# Altium PCB GEM_AFE_128.PcbDoc (part 14 of 18) (continued)
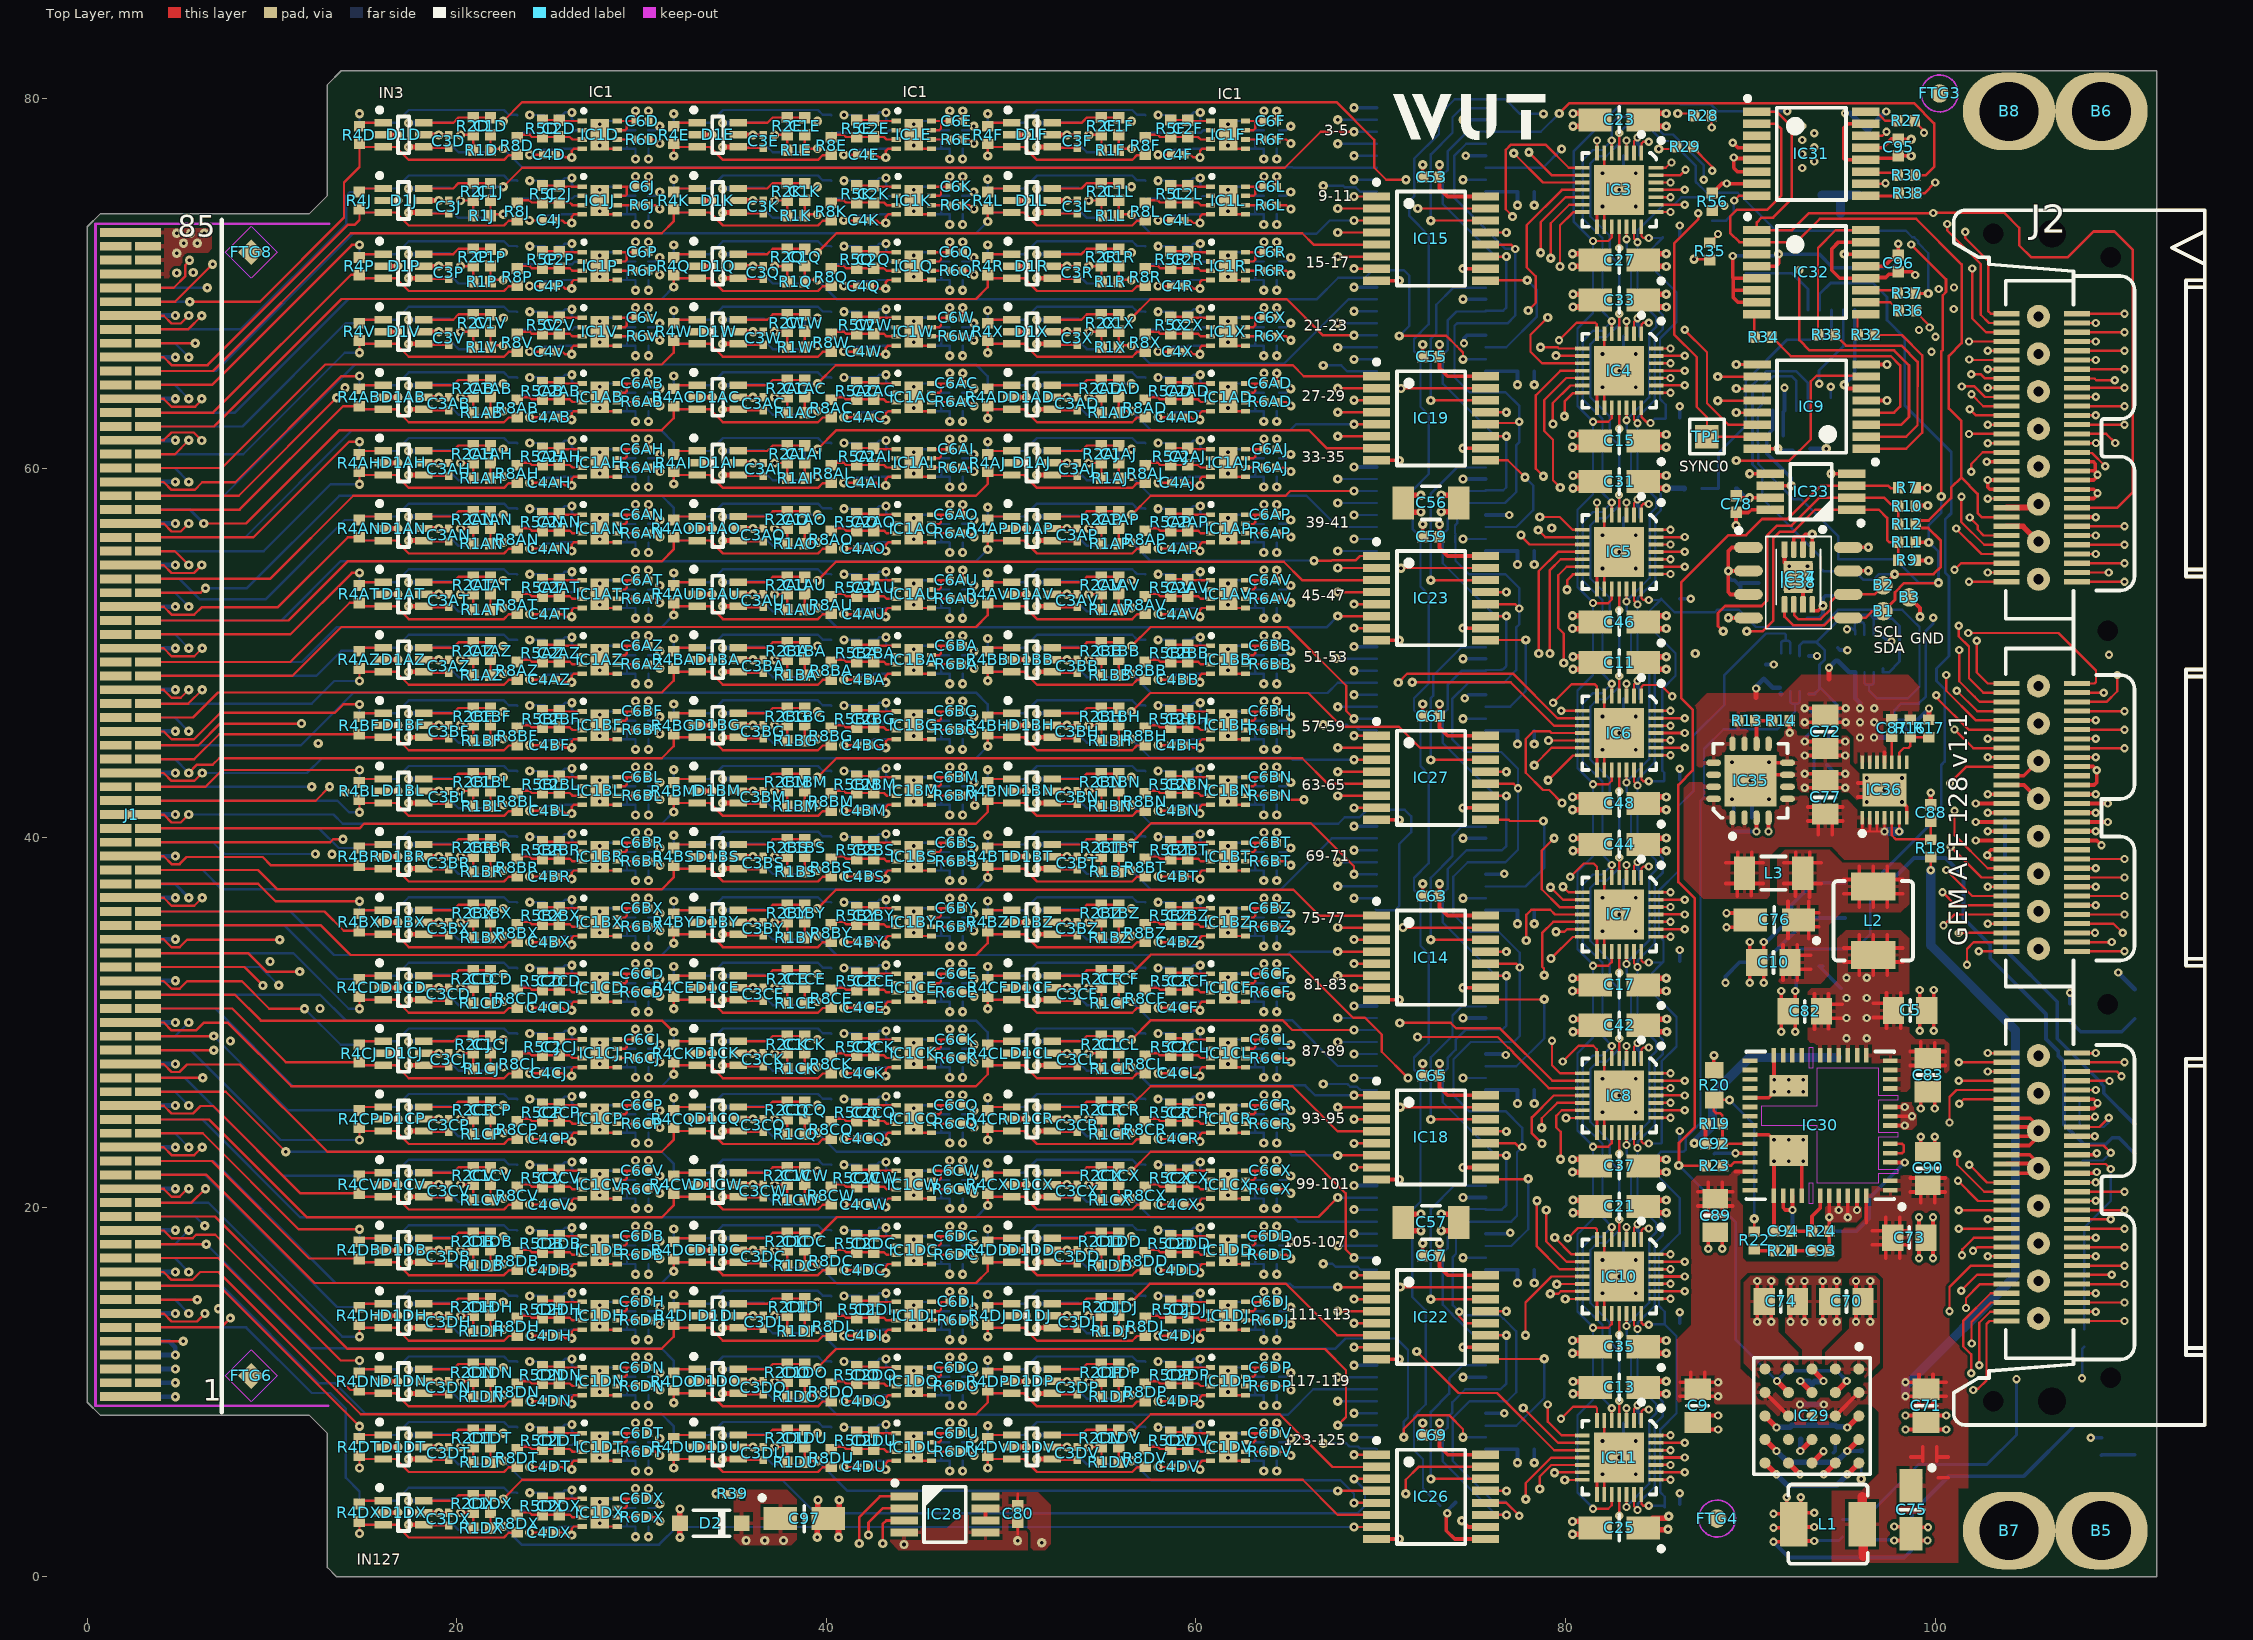
[diagram p0: Top Layer view]
## Nets (pads, with @x,y where several pads share a name; then routed paths per layer and width w, separated by ;. In a path a pad name is that pad's centre, name@x,y a point inside that pad or via, vN(x,y) a via of type N, cw(c..) or ccw(c..) an arc to the next point about the centre after c; other vN are vias at no path point) (continued)
OFFSET67: C4BP.2 IC1BP.4 IC7.26 | length 47.6
  Top Layer w0.127: IC7.26@85,36.244 v2(85.676,36.244)
  L2 w0.127: v1(43.23,40.192) 44.295,39.128 46.962,39.128 47.115,38.975 49.3,38.975 49.8,38.475 50.954,38.475 51.212,38.732 51.568,38.732 51.775,38.525 54.85,38.525 55.14,38.815 64.39,38.815 64.55,38.975 65.95,38.975 66.175,39.2 68,39.2 68.302,38.898 69.34,38.898 69.591,39.15 78.949,39.15 79.37,38.729 79.657,38.729 79.985,38.401 80.599,38.401 81.828,37.172 82.678,37.172 83.606,36.244 v2(85.676,36.244)
  Bottom Layer w0.127: C4BP.2@42.375,40.055 42.727,40.055 42.864,40.192 v1@43.205,40.192 ; v1(43.23,40.192) 43.23,39.838 43.343,39.725 IC1BP.4@43.786,39.725
OFFSET68: C4BQ.2 IC1BQ.4 IC7.10 | length 27.6
  Top Layer w0.127: v1(79.381,39.966) 78.713,39.298 78.713,37.202 79.674,36.241 IC7.10@80.9,36.241
  L2 w0.127: v1(60.23,40.192) 62.183,40.192 62.7,39.675 64.365,39.675 64.915,40.225 65.862,40.225 65.987,40.1 73.113,40.1 73.598,40.585 76.49,40.585 77.109,39.966 v1(79.381,39.966)
  Bottom Layer w0.127: C4BQ.2@59.375,40.055 59.727,40.055 59.864,40.192 v1@60.205,40.192 ; v1(60.23,40.192) 60.23,39.838 60.343,39.725 IC1BQ.4@60.786,39.725
OFFSET69: C4BR.2 IC1BR.4 IC7.9 | length 58.9
  Top Layer w0.127: C4BR.2@25.364,37.895 25.716,37.895 25.854,37.758 v1@26.195,37.758 ; v1(26.22,37.758) 26.22,38.112 26.333,38.225 IC1BR.4@26.775,38.225 ; v1(79.187,37.314) 79.861,36.641 IC7.9@80.9,36.641
  L2 w0.127: v1(26.22,37.758) 28.333,37.758 28.8,38.225 30.55,38.225 30.725,38.05 31.225,38.05 31.65,38.475 33.912,38.475 34.187,38.75 34.6,38.75 34.809,38.541 37.766,38.541 38.047,38.822 41.453,38.822 43.075,37.2 59.529,37.2 59.671,37.058 61.056,37.058 61.198,37.2 67.099,37.2 67.417,36.883 67.943,36.883 68.261,37.201 71.993,37.201 72.102,37.092 73.442,37.092 73.85,37.5 78.25,37.5 78.436,37.314 v1(79.187,37.314)
OFFSET70: C4BS.2 IC1BS.4 IC7.8 | length 42.6
  Top Layer w0.127: C4BS.2@42.364,37.895 42.716,37.895 42.854,37.758 v1@43.195,37.758 ; v1(43.22,37.758) 43.22,38.112 43.333,38.225 IC1BS.4@43.775,38.225 ; v1(79.865,37.34) 80.164,37.041 IC7.8@80.9,37.041
  L2 w0.127: v1(43.22,37.758) 45.333,37.758 45.8,38.225 47.55,38.225 47.725,38.05 48.225,38.05 48.438,38.262 48.987,38.262 49.5,37.75 56.975,37.75 57.575,38.35 58.907,38.35 59.926,37.332 60.674,37.332 60.969,37.627 62.702,37.627 63.174,38.099 64.54,38.099 64.914,37.725 66.025,37.725 66.185,37.885 67.961,37.885 68.291,37.555 69.094,37.555 70.2,38.661 78.095,38.661 78.516,38.239 78.966,38.239 v1(79.865,37.34)
OFFSET71: C4BT.2 IC1BT.4 IC7.7 | length 25.5
  Top Layer w0.127: C4BT.2@59.364,37.895 59.716,37.895 59.854,37.758 v1@60.195,37.758 ; v1(60.22,37.758) 60.22,38.112 60.333,38.225 IC1BT.4@60.775,38.225 ; v2(80.255,37.876) 80.979,38.6 81.529,38.6 81.7,38.429 IC7.7@81.7,37.841
  L2 w0.127: v1(60.22,37.758) v1(60.22,37.758) 60.586,37.759 60.802,37.975 61.975,37.975 62.475,38.475 64.583,38.475 64.968,38.09 65.783,38.09 65.943,38.249 67.997,38.249 68.253,38.505 69.1,38.505 69.106,38.511 69.597,38.511 69.975,38.889 78.465,38.889 78.843,38.511 79.207,38.511 79.843,37.876 v2(80.255,37.876)
OFFSET72: C4BU.2 IC1BU.4 IC7.25 | length 67.4
  Top Layer w0.14: IC7.25@85,35.844 v2(86.447,35.844)
  L2 w0.127: v1(26.23,36.642) 28.343,36.642 28.811,36.175 30.561,36.175 30.736,36.35 31.236,36.35 31.661,35.925 33.923,35.925 34.198,35.65 34.611,35.65 34.819,35.859 37.777,35.859 38.058,35.578 46.962,35.578 47.115,35.425 49.3,35.425 49.8,34.925 50.954,34.925 51.212,35.182 51.568,35.182 51.775,34.975 54.85,34.975 55.14,35.265 64.39,35.265 64.55,35.425 65.95,35.425 66.275,35.75 67.81,35.75 68.028,35.531 69.184,35.531 69.74,36.087 71.58,36.087 71.762,35.905 74.876,35.905 75.19,36.219 80.494,36.219 81.35,35.363 81.35,34.729 81.641,34.437 84.072,34.437 84.682,35.048 85.889,35.048
  L2 w0.14: 85.889,35.048 86.072,35.231 86.072,35.47 v2(86.447,35.844)
  Bottom Layer w0.127: C4BU.2@25.375,36.505 25.727,36.505 25.864,36.642 v1@26.205,36.642 ; v1(26.23,36.642) 26.23,36.288 26.343,36.175 IC1BU.4@26.786,36.175
OFFSET73: C4BV.2 IC1BV.4 IC7.24 | length 47.1
  Top Layer w0.127: IC7.24@85,35.444 v2(85.676,35.444)
  L2 w0.127: v1(43.23,36.642) 45.343,36.642 45.811,36.175 47.561,36.175 47.736,36.35 48.236,36.35 48.661,35.925 50.923,35.925 51.198,35.65 51.611,35.65 51.819,35.859 54.777,35.859 55.058,35.578 64.231,35.578 64.963,36.311 66.87,36.311 67.06,36.121 67.951,36.121 68.173,35.898 69.001,35.898 69.55,36.448 71.73,36.448 71.912,36.265 74.727,36.265 74.998,36.537 80.913,36.537 82.085,35.365 83.365,35.365 83.444,35.444 v2(85.676,35.444)
  Bottom Layer w0.127: C4BV.2@42.375,36.505 42.727,36.505 42.864,36.642 v1@43.205,36.642 ; v1(43.23,36.642) 43.23,36.288 43.343,36.175 IC1BV.4@43.786,36.175
OFFSET74: C4BW.2 IC1BW.4 IC7.23 | length 33
  Top Layer w0.14: IC7.23@85,35.044 v2(86.447,35.044)
  L2 w0.127: v1(60.23,36.642) 62.183,36.642 62.7,36.125 64.365,36.125 64.915,36.675 67.021,36.675 67.211,36.485 68.102,36.485 68.324,36.263 68.85,36.263 69.408,36.821 71.884,36.821 72.04,36.665 73.565,36.665 74.029,37.129 78.079,37.129 78.309,36.899 81.151,36.899 81.75,36.3 83.071,36.3 83.521,35.85 85.85,35.85 86.25,36.25 86.65,36.25 86.9,36 86.9,35.497 v2(86.447,35.044)
  Bottom Layer w0.127: C4BW.2@59.375,36.505 59.727,36.505 59.864,36.642 v1@60.205,36.642 ; v1(60.23,36.642) 60.23,36.288 60.343,36.175 IC1BW.4@60.786,36.175
OFFSET75: C4BX.2 IC1BX.4 IC7.22 | length 66.4
  Top Layer w0.127: C4BX.2@25.364,34.345 25.716,34.345 25.854,34.208 v1@26.195,34.208 ; v1(26.22,34.208) 26.22,34.562 26.333,34.675 IC1BX.4@26.775,34.675 ; IC7.22@85,34.644 v2(85.676,34.644)
  L2 w0.127: v1(26.22,34.208) 28.333,34.208 28.8,34.675 30.55,34.675 30.725,34.5 31.225,34.5 31.65,34.925 33.912,34.925 34.187,35.2 34.6,35.2 34.809,34.991 37.766,34.991 38.047,35.272 43.528,35.272 44.5,34.3 45.425,34.3 45.8,34.675 47.55,34.675 47.725,34.5 48.225,34.5 48.438,34.713 48.987,34.713 49.5,34.2 56.975,34.2 57.575,34.8 61.1,34.8 61.475,34.425 61.975,34.425 62.475,34.925 64.583,34.925 64.968,34.54 65.432,34.54 65.609,34.717 68.017,34.717 68.45,35.15 69.45,35.15 69.95,35.65 71.399,35.65 71.581,35.468 75.057,35.468 75.447,35.858 80.192,35.858 81,35.05 81,34.55 81.45,34.1 84.25,34.1 84.794,34.644 v2(85.676,34.644)
OFFSET76: C4BY.2 IC1BY.4 IC7.14 | length 44.5
  Top Layer w0.127: C4BY.2@42.364,34.345 42.716,34.345 42.854,34.208 v1@43.195,34.208 ; v1(43.22,34.208) 43.22,34.562 43.333,34.675 IC1BY.4@43.775,34.675 ; v1(79.216,33.454) 80.388,34.626 80.885,34.626 IC7.14@80.9,34.641
  L2 w0.127: v1(43.22,34.208) 42.65,33.638 42.65,32.95 43,32.6 43.55,32.6 44.05,33.1 45.336,33.1 45.811,32.625 47.561,32.625 47.736,32.8 48.236,32.8 48.661,32.375 50.923,32.375 51.198,32.1 51.611,32.1 51.819,32.309 54.777,32.309 55.058,32.028 64.231,32.028 64.963,32.761 66.815,32.761 67.46,32.116 67.848,32.116 68.268,32.536 69.236,32.536 69.8,33.1 73.35,33.1 73.65,33.4 77.15,33.4 77.4,33.65 77.95,33.65 78.146,33.454 v1(79.216,33.454)
OFFSET77: C4BZ.2 IC1BZ.4 IC7.13 | length 23.7
  Top Layer w0.127: C4BZ.2@59.364,34.345 59.716,34.345 59.854,34.208 v1@60.195,34.208 ; v1(60.22,34.208) 60.22,34.562 60.333,34.675 IC1BZ.4@60.775,34.675 ; v1(79.479,34.904) 79.943,34.904 80.079,35.041 IC7.13@80.9,35.041
  L2 w0.127: v1(60.22,34.208) 60.989,34.208 61.12,34.077 62.702,34.077 63.174,34.549 64.54,34.549 64.914,34.175 65.614,34.175 65.739,34.3 68,34.3 68.25,34.05 68.85,34.05 69.45,34.65 71.5,34.65 71.95,35.1 77.016,35.1 77.216,34.9 79.475,34.9 v1(79.479,34.904)
OFFSET78: C4CA.2 IC1CA.4 IC7.12 | length 61.4
  Top Layer w0.127: v1(78.843,32.559) 78.833,32.569 78.833,32.917 78.733,33.017 78.733,34.845 79.328,35.441 IC7.12@80.9,35.441
  L2 w0.127: v1(26.23,33.092) 28.343,33.092 28.811,32.625 30.561,32.625 30.736,32.8 31.236,32.8 31.661,32.375 33.923,32.375 34.198,32.1 34.611,32.1 34.819,32.309 37.777,32.309 38.058,32.028 46.962,32.028 47.115,31.875 49.3,31.875 49.8,31.375 50.954,31.375 51.212,31.632 51.568,31.632 51.775,31.425 54.85,31.425 55.14,31.715 64.39,31.715 64.508,31.833 67.906,31.833 68.37,32.297 68.783,32.297 68.98,32.1 69.5,32.1 70.05,32.65 73.5,32.65 73.85,33 76.688,33 cw(c76.688,32.374) 77.13,32.817 77.13,32.812 77.359,32.584 77.516,32.584 77.541,32.559 v1(78.843,32.559)
  Bottom Layer w0.127: C4CA.2@25.375,32.955 25.727,32.955 25.864,33.092 v1@26.205,33.092 ; v1(26.23,33.092) 26.23,32.738 26.343,32.625 IC1CA.4@26.786,32.625
OFFSET79: C4CB.2 IC1CB.4 IC7.11 | length 42.1
  Top Layer w0.127: v1(77.869,34.431) 77.869,35.819 78.15,36.1 79.167,36.1 79.426,35.841 IC7.11@80.9,35.841
  L2 w0.127: v1(43.23,33.092) 43.788,33.65 67.2,33.65 67.454,33.396 68.002,33.396 68.251,33.646 69.096,33.646 69.4,33.95 72.95,33.95 73.7,34.7 76.961,34.7 77.23,34.431 v1(77.869,34.431)
  Bottom Layer w0.127: C4CB.2@42.375,32.955 42.727,32.955 42.864,33.092 v1@43.205,33.092 ; v1(43.23,33.092) 43.23,32.738 43.343,32.625 IC1CB.4@43.786,32.625
OFFSET80: C4CC.2 IC1CC.4 IC8.1 | length 31
  Top Layer w0.127: IC8.1@84.1,28.045 84.109,28.054 84.109,28.552 84.202,28.645 v2(84.498,28.645)
  L2 w0.127: v1(60.23,33.092) 62.183,33.092 62.7,32.575 64.365,32.575 64.86,33.071 67.829,33.071 68.135,32.765 68.892,32.765 69.63,33.502 73.052,33.502 73.85,34.3 76.927,34.3 77.277,33.95 79.95,33.95 84.498,29.402 v2(84.498,28.645)
  Bottom Layer w0.127: C4CC.2@59.375,32.955 59.727,32.955 59.864,33.092 v1@60.205,33.092 ; v1(60.23,33.092) 60.23,32.738 60.343,32.625 IC1CC.4@60.786,32.625
OFFSET81: C4CD.2 IC1CD.4 IC8.28 | length 66
  Top Layer w0.127: C4CD.2@25.364,30.795 25.716,30.795 25.854,30.658 v1@26.195,30.658 ; v1(26.22,30.658) 26.22,31.012 26.333,31.125 IC1CD.4@26.775,31.125 ; IC8.28@85,27.248 v2(85.676,27.248)
  L2 w0.127: v1(26.22,30.658) 28.333,30.658 28.8,31.125 30.55,31.125 30.725,30.95 31.225,30.95 31.65,31.375 33.912,31.375 34.187,31.65 34.6,31.65 34.809,31.441 37.766,31.441 38.047,31.722 41.453,31.722 43.075,30.1 67.15,30.1 67.421,29.829 67.502,29.829 ; 67.503,29.828 67.847,29.828 ; 67.848,29.829 67.879,29.829 68.15,30.1 69.1,30.1 69.435,30.435 69.935,30.435 70.292,30.792 78.108,30.792 79.888,29.012 80.557,29.012 82.532,27.037 83.113,27.037 83.7,26.45 84.878,26.45 v2(85.676,27.248)
OFFSET82: C4CE.2 IC1CE.4 IC8.27 | length 52.4
  Top Layer w0.127: C4CE.2@42.364,30.795 42.716,30.795 42.854,30.658 v1@43.195,30.658 ; v1(43.22,30.658) 43.22,31.012 43.333,31.125 IC1CE.4@43.775,31.125
  Top Layer w0.14: IC8.27@85,26.848 v2(86.447,26.848)
  L2 w0.127: v1(43.22,30.658) 45.333,30.658 45.8,31.125 47.55,31.125 47.725,30.95 48.225,30.95 48.438,31.163 48.987,31.163 49.5,30.65 56.975,30.65 57.575,31.25 61.1,31.25 61.475,30.875 61.975,30.875 62.475,31.375 64.583,31.375 64.968,30.99 65.376,30.99 65.764,31.378 69.422,31.378 70.192,32.149 73.599,32.149 74,32.55 75.95,32.55 76.5,32 79.4,32 80.15,31.25 81.2,31.25 82.1,30.35 82.1,28.45 82.629,27.921 86.079,27.921 86.447,27.553 v2(86.447,26.848)
OFFSET83: C4CF.2 IC1CF.4 IC8.26 | length 33.5
  Top Layer w0.127: C4CF.2@59.364,30.795 59.716,30.795 59.854,30.658 v1@60.195,30.658 ; v1(60.22,30.658) 60.22,31.012 60.333,31.125 IC1CF.4@60.775,31.125 ; IC8.26@85,26.448 v2(85.676,26.448)
  L2 w0.127: v1(60.22,30.658) 60.989,30.658 61.12,30.527 62.702,30.527 63.174,30.999 64.54,30.999 64.914,30.625 65.8,30.625 66.075,30.9 67.8,30.9 68.25,30.45 68.85,30.45 69.2,30.8 69.653,30.8 70.572,31.719 73.531,31.719 73.95,31.3 78.128,31.3 78.653,30.775 80.925,30.775 81.65,30.05 81.65,28.422 82.429,27.642 85.856,27.642 86.082,27.417 86.082,27.049 85.984,26.95 85.984,26.756 v2(85.676,26.448)
OFFSET84: C4CG.2 IC1CG.4 IC8.10 | length 59.4
  Top Layer w0.127: v1(71.991,29.207) 76.326,29.207 76.903,28.631 76.931,28.631 77.16,28.402 77.16,28.374 79.089,26.445 IC8.10@80.9,26.445
  L2 w0.127: v1(26.23,29.542) 28.343,29.542 28.811,29.075 30.561,29.075 30.736,29.25 31.236,29.25 31.661,28.825 33.923,28.825 34.198,28.55 34.611,28.55 34.819,28.759 37.777,28.759 38.058,28.478 46.962,28.478 47.115,28.325 49.3,28.325 49.8,27.825 50.954,27.825 51.212,28.082 51.568,28.082 51.775,27.875 54.85,27.875 55.14,28.165 64.39,28.165 64.55,28.325 67.925,28.325 68.308,28.708 70.227,28.708 70.726,29.207 v1(71.991,29.207)
  Bottom Layer w0.127: C4CG.2@25.375,29.405 25.727,29.405 25.864,29.542 v1@26.205,29.542 ; v1(26.23,29.542) 26.23,29.188 26.343,29.075 IC1CG.4@26.786,29.075
OFFSET85: C4CH.2 IC1CH.4 IC8.9 | length 42.5
  Top Layer w0.127: v1(71.032,29.974) 73.789,29.974 74.084,29.678 76.451,29.678 79.285,26.845 IC8.9@80.9,26.845
  L2 w0.127: v1(43.23,29.542) 45.343,29.542 45.811,29.075 47.561,29.075 47.736,29.25 48.236,29.25 48.661,28.825 50.923,28.825 51.198,28.55 51.611,28.55 51.819,28.759 54.777,28.759 55.058,28.478 64.231,28.478 64.963,29.211 67.356,29.211 67.503,29.358 67.847,29.358 68.268,28.937 68.977,28.937 69.24,29.2 70.258,29.2 v1(71.032,29.974)
  Bottom Layer w0.127: C4CH.2@42.375,29.405 42.727,29.405 42.864,29.542 v1@43.205,29.542 ; v1(43.23,29.542) 43.23,29.188 43.343,29.075 IC1CH.4@43.786,29.075
OFFSET86: C4CI.2 IC1CI.4 IC8.8 | length 25.7
  Top Layer w0.127: v2(79.27,29.012) 79.27,27.682 79.7,27.251 80.894,27.251 IC8.8@80.9,27.245
  L2 w0.127: v1(60.23,29.542) 62.183,29.542 62.7,29.025 64.365,29.025 64.937,29.597 67.959,29.597 68.378,29.178 68.728,29.178 69.6,30.05 70.15,30.05 70.5,30.4 73.15,30.4 73.85,29.7 78.582,29.7 v2(79.27,29.012)
  Bottom Layer w0.127: C4CI.2@59.375,29.405 59.727,29.405 59.864,29.542 v1@60.205,29.542 ; v1(60.23,29.542) 60.23,29.188 60.343,29.075 IC1CI.4@60.786,29.075
OFFSET87: C4CJ.2 IC1CJ.4 IC8.7 | length 60.5
  Top Layer w0.127: C4CJ.2@25.364,27.245 25.716,27.245 25.854,27.108 v1@26.195,27.108 ; v1(26.22,27.108) 26.22,27.462 26.333,27.575 IC1CJ.4@26.775,27.575 ; v2(79.852,27.883) 80.703,28.733 81.503,28.733 81.688,28.548 81.688,28.057 IC8.7@81.7,28.045
  L2 w0.127: v1(26.22,27.108) 28.333,27.108 28.8,27.575 30.55,27.575 30.725,27.4 31.225,27.4 31.65,27.825 33.912,27.825 34.187,28.1 34.6,28.1 34.809,27.891 37.766,27.891 38.047,28.172 41.453,28.172 43.075,26.55 65.9,26.55 66.572,27.222 68.137,27.222 68.323,27.408 68.742,27.408 68.95,27.2 71.095,27.2 71.303,27.408 71.647,27.408 71.669,27.386 72.08,27.386 72.102,27.364 72.445,27.364 72.467,27.386 72.98,27.386 73.002,27.364 73.345,27.364 73.367,27.386 73.495,27.386 73.517,27.408 79.378,27.408 v2(79.852,27.883)
OFFSET88: C4CK.2 IC1CK.4 IC8.25 | length 50.5
  Top Layer w0.127: C4CK.2@42.364,27.245 42.716,27.245 42.854,27.108 v1@43.195,27.108 ; v1(43.22,27.108) 43.22,27.462 43.333,27.575 IC1CK.4@43.775,27.575
  Top Layer w0.14: IC8.25@85,26.048 v2(86.447,26.048)
  L2 w0.127: v1(43.22,27.108) 45.333,27.108 45.8,27.575 47.55,27.575 47.725,27.4 48.225,27.4 48.438,27.613 48.987,27.613 49.5,27.1 56.975,27.1 57.575,27.7 61.1,27.7 61.475,27.325 61.975,27.325 62.475,27.825 64.583,27.825 64.968,27.44 65.665,27.44 66.205,27.98 68.199,27.98 68.303,27.876 68.726,27.876 69.126,28.276 70.326,28.276 70.842,28.792 72.225,28.792 72.765,29.332 77.942,29.332 78.692,28.582 80.368,28.582 81.54,27.41 81.54,26.786 81.848,26.478 83.163,26.478 83.593,26.048 v2(86.447,26.048)
OFFSET89: C4CL.2 IC1CL.4 IC8.24 | length 31
  Top Layer w0.127: C4CL.2@59.364,27.245 59.716,27.245 59.854,27.108 v1@60.195,27.108 ; v1(60.22,27.108) 60.22,27.462 60.333,27.575 IC1CL.4@60.775,27.575 ; IC8.24@85,25.648 v2(85.676,25.648)
  L2 w0.127: v1(60.22,27.108) 60.989,27.108 61.12,26.977 62.702,26.977 63.174,27.449 64.54,27.449 64.914,27.075 65.816,27.075 66.38,27.64 70.29,27.64 71.166,28.516 72.725,28.516 73.151,28.943 77.807,28.943 78.477,28.273 80.227,28.273 81.2,27.3 81.2,26.6 82.276,25.524 83.221,25.524 83.346,25.65 85.674,25.65 v2(85.676,25.648)
OFFSET90: C4CM.2 IC1CM.4 IC8.23 | length 66.6
  Top Layer w0.14: IC8.23@85,25.248 v2(86.447,25.248)
  L2 w0.127: v1(26.23,25.992) 28.343,25.992 28.811,25.525 30.561,25.525 30.736,25.7 31.236,25.7 31.661,25.275 33.923,25.275 34.198,25 34.611,25 34.819,25.209 37.777,25.209 38.058,24.928 46.962,24.928 47.115,24.775 49.3,24.775 49.8,24.275 50.954,24.275 51.212,24.532 51.568,24.532 51.775,24.325 54.85,24.325 55.14,24.615 64.39,24.615 64.55,24.775 67.775,24.775 68.25,25.25 69.55,25.25 69.9,24.9 71.75,24.9 72.121,25.271 76.681,25.271 77.152,24.8 78.95,24.8 79.739,24.011 85.511,24.011 86.431,24.931 86.431,25.232 v2(86.447,25.248)
  Bottom Layer w0.127: C4CM.2@25.375,25.855 25.727,25.855 25.864,25.992 v1@26.205,25.992 ; v1(26.23,25.992) 26.23,25.638 26.343,25.525 IC1CM.4@26.786,25.525
OFFSET91: C4CN.2 IC1CN.4 IC8.22 | length 47.3
  Top Layer w0.127: IC8.22@85,24.848 v2(85.676,24.848)
  L2 w0.127: v1(43.23,25.992) 45.343,25.992 45.811,25.525 47.561,25.525 47.736,25.7 48.236,25.7 48.661,25.275 50.923,25.275 51.198,25 51.611,25 51.819,25.209 54.777,25.209 55.058,24.928 64.231,24.928 65.085,25.783 67.183,25.783 67.35,25.95 67.9,25.95 68.26,25.59 68.79,25.59 69.15,25.95 76.458,25.95 77.221,25.187 79.043,25.187 79.879,24.35 85.178,24.35 v2(85.676,24.848)
  Bottom Layer w0.127: C4CN.2@42.375,25.855 42.727,25.855 42.864,25.992 v1@43.205,25.992 ; v1(43.23,25.992) 43.23,25.638 43.343,25.525 IC1CN.4@43.786,25.525
OFFSET92: C4CO.2 IC1CO.4 IC8.14 | length 23.9
  Top Layer w0.127: v1(80.02,24.83) 80.885,24.83 IC8.14@80.9,24.845
  L2 w0.127: v1(60.23,25.992) 62.183,25.992 62.7,25.475 64.365,25.475 65.037,26.147 67.047,26.147 67.45,26.55 78.3,26.55 v1(80.02,24.83)
  Bottom Layer w0.127: C4CO.2@59.375,25.855 59.727,25.855 59.864,25.992 v1@60.205,25.992 ; v1(60.23,25.992) 60.23,25.638 60.343,25.525 IC1CO.4@60.786,25.525
OFFSET93: C4CP.2 IC1CP.4 IC8.13 | length 61.7
  Top Layer w0.127: C4CP.2@25.364,23.695 25.716,23.695 25.854,23.558 v1@26.195,23.558 ; v1(26.22,23.558) 26.22,23.912 26.333,24.025 IC1CP.4@26.775,24.025 ; v1(79.731,22.602) 79.731,24.082 79.492,24.32 79.492,24.944 79.793,25.245 IC8.13@80.9,25.245
  L2 w0.127: v1(26.22,23.558) 28.333,23.558 28.8,24.025 30.55,24.025 30.725,23.85 31.225,23.85 31.65,24.275 33.912,24.275 34.187,24.55 34.6,24.55 34.809,24.341 37.766,24.341 38.047,24.622 41.453,24.622 42.942,23.133 46.122,23.133 46.255,23 59.313,23 59.442,23.13 60.929,23.13 61.059,23 65.725,23 66.125,23.4 68,23.4 68.361,23.039 68.739,23.039 69.15,23.45 76.198,23.45 76.355,23.293 77.067,23.293 77.758,22.602 v1(79.731,22.602)
OFFSET94: C4CQ.2 IC1CQ.4 IC8.12 | length 42.1
  Top Layer w0.127: C4CQ.2@42.364,23.695 42.716,23.695 42.854,23.558 v1@43.195,23.558 ; v1(43.22,23.558) 43.22,23.912 43.333,24.025 IC1CQ.4@43.775,24.025 ; v1(78.714,24.294) 78.714,24.813 79.547,25.645 IC8.12@80.9,25.645
  L2 w0.127: v1(43.22,23.558) 45.333,23.558 45.8,24.025 47.55,24.025 47.725,23.85 48.225,23.85 48.438,24.062 48.987,24.062 49.5,23.55 56.975,23.55 57.575,24.15 61.1,24.15 61.475,23.775 61.975,23.775 62.475,24.275 64.583,24.275 64.968,23.89 65.44,23.89 65.84,24.29 76.24,24.29 76.47,24.52 77.03,24.52 77.296,24.254 78.674,24.254 v1(78.714,24.294)
OFFSET95: C4CR.2 IC1CR.4 IC8.11 | length 26.2
  Top Layer w0.127: C4CR.2@59.364,23.695 59.716,23.695 59.854,23.558 v1@60.195,23.558 ; v1(60.22,23.558) 60.22,23.912 60.333,24.025 IC1CR.4@60.775,24.025 ; v1(78.729,23.445) 78.179,23.995 78.179,24.862 79.362,26.045 IC8.11@80.9,26.045
  L2 w0.127: v1(60.22,23.558) 60.989,23.558 61.12,23.427 62.702,23.427 63.174,23.899 64.54,23.899 64.914,23.525 65.591,23.525 65.991,23.926 76.274,23.926 76.55,23.65 77.1,23.65 77.35,23.9 78.275,23.9 v1(78.729,23.445)
OFFSET96: C4CS.2 IC1CS.4 IC10.1 | length 66.6
  Top Layer w0.127: IC10.1@84.1,18.249 84.109,18.258 84.109,18.756 84.202,18.849 v2(84.498,18.849)
  L2 w0.127: v1(26.23,22.442) 28.343,22.442 28.811,21.975 30.561,21.975 30.736,22.15 31.236,22.15 31.661,21.725 33.923,21.725 34.198,21.45 34.611,21.45 34.819,21.659 37.777,21.659 38.988,22.87 43.419,22.87 43.565,22.724 45.626,22.724 46.246,22.104 48.246,22.104 48.4,21.95 49.073,21.95 49.596,22.473 56.827,22.473 57.45,21.85 58.964,21.85 59.972,22.858 60.63,22.858 61.036,22.452 62.173,22.452 62.7,21.925 64.365,21.925 64.915,22.475 67.375,22.475 67.461,22.389 67.845,22.389 68.256,22.8 73.38,22.8 73.665,23.085 75.748,23.085 76.598,22.235 79.378,22.235 80.165,21.448 82.702,21.448 84.498,19.652 v2(84.498,18.849)
  Bottom Layer w0.127: C4CS.2@25.375,22.305 25.727,22.305 25.864,22.442 v1@26.205,22.442 ; v1(26.23,22.442) 26.23,22.088 26.343,21.975 IC1CS.4@26.786,21.975
OFFSET97: C4CT.2 IC1CT.4 IC10.28 | length 48.9
  Top Layer w0.127: IC10.28@85,17.452 v2(85.676,17.452)
  L2 w0.127: v1(43.23,22.442) 43.244,22.456 45.285,22.456 46.516,21.225 49.3,21.225 49.8,20.725 50.954,20.725 51.212,20.982 51.568,20.982 51.775,20.775 54.85,20.775 55.14,21.065 64.39,21.065 64.55,21.225 65.95,21.225 66.375,21.65 70.416,21.65 70.703,21.937 71.29,21.937 71.577,21.65 75.95,21.65 76.8,20.8 80.573,20.8 81.5,19.873 81.5,18.704 82.592,17.612 84.138,17.612 84.298,17.452 v2(85.676,17.452)
  Bottom Layer w0.127: C4CT.2@42.375,22.305 42.727,22.305 42.864,22.442 v1@43.205,22.442 ; v1(43.23,22.442) 43.23,22.088 43.343,21.975 IC1CT.4@43.786,21.975
OFFSET98: C4CU.2 IC1CU.4 IC10.27 | length 33.9
  Top Layer w0.14: IC10.27@85,17.052 v2(86.447,17.052)
  L2 w0.127: v1(60.23,22.442) 61.295,21.378 64.231,21.378 64.963,22.111 67.917,22.111 68.378,22.571 68.596,22.571 68.598,22.57 68.72,22.57 68.938,22.352 73.565,22.352 73.85,22.638 75.562,22.638 77.092,21.108 80.796,21.108 81.938,19.966 81.938,18.812 82.7,18.05 85.85,18.05 86.447,17.453 v2(86.447,17.052)
  Bottom Layer w0.127: C4CU.2@59.375,22.305 59.727,22.305 59.864,22.442 v1@60.205,22.442 ; v1(60.23,22.442) 60.23,22.088 60.343,21.975 IC1CU.4@60.786,21.975
OFFSET99: C4CV.2 IC1CV.4 IC10.26 | length 65.4
  Top Layer w0.127: C4CV.2@25.364,20.145 25.716,20.145 25.854,20.008 v1@26.195,20.008 ; v1(26.22,20.008) 26.22,20.362 26.333,20.475 IC1CV.4@26.775,20.475 ; IC10.26@85,16.652 v2(85.676,16.652)
  L2 w0.127: v1(26.22,20.008) 28.333,20.008 28.8,20.475 30.55,20.475 30.725,20.3 31.225,20.3 31.65,20.725 33.912,20.725 34.187,21 34.6,21 34.809,20.791 37.766,20.791 38.047,21.072 41.453,21.072 43.075,19.45 68.8,19.45 69.7,20.35 73.589,20.35 74.462,19.477 76.528,19.477 76.599,19.547 77.301,19.547 77.413,19.436 78.777,19.436 79.122,19.435 ; 79.123,19.436 79.64,19.436 79.655,19.421 79.993,19.421 80.314,19.1 80.636,19.1 82.486,17.25 83.1,17.25 83.698,16.652 v2(85.676,16.652)
OFFSET100: C4CW.2 IC1CW.4 IC10.10 | length 44.7
  Top Layer w0.127: C4CW.2@42.364,20.145 42.716,20.145 42.854,20.008 v1@43.195,20.008 ; v1(43.22,20.008) 43.22,20.362 43.333,20.475 IC1CW.4@43.775,20.475 ; v1(78.45,20.35) 78.45,17.873 79.674,16.649 IC10.10@80.9,16.649
  L2 w0.127: v1(43.22,20.008) 45.333,20.008 45.8,20.475 47.55,20.475 47.725,20.3 48.225,20.3 48.438,20.512 48.987,20.512 49.5,20 56.975,20 57.575,20.6 61.1,20.6 61.475,20.225 61.975,20.225 62.475,20.725 64.583,20.725 64.968,20.34 65.99,20.34 66.7,21.05 67.95,21.05 68.3,20.7 68.9,20.7 69.272,21.072 75.328,21.072 76.05,20.35 v1(78.45,20.35)
OFFSET101: C4CX.2 IC1CX.4 IC10.9 | length 25.7
  Top Layer w0.127: C4CX.2@59.364,20.145 59.716,20.145 59.854,20.008 v1@60.195,20.008 ; v1(60.22,20.008) 60.22,20.362 60.333,20.475 IC1CX.4@60.775,20.475 ; v1(78.95,19.85) 78.95,18.15 80.051,17.049 IC10.9@80.9,17.049
  L2 w0.127: v1(60.22,20.008) 60.989,20.008 61.12,19.877 62.702,19.877 63.174,20.349 64.54,20.349 64.914,19.975 67.845,19.975 68.17,20.3 69.05,20.3 69.45,20.7 73.663,20.7 74.513,19.85 v1(78.95,19.85)
OFFSET102: C4CY.2 IC1CY.4 IC10.8 | length 59.2
  Top Layer w0.127: v1(79.41,18.358) 80.318,17.449 IC10.8@80.9,17.449
  L2 w0.127: v1(26.23,18.892) 28.343,18.892 28.811,18.425 30.561,18.425 30.736,18.6 31.236,18.6 31.661,18.175 33.923,18.175 34.198,17.9 34.611,17.9 34.819,18.109 37.777,18.109 38.058,17.828 46.962,17.828 47.115,17.675 49.3,17.675 49.8,17.175 50.954,17.175 51.212,17.432 51.568,17.432 51.775,17.225 54.85,17.225 55.14,17.515 64.39,17.515 64.55,17.675 66.225,17.675 66.9,18.35 67.95,18.35 68.2,18.1 71.6,18.1 72.1,17.6 73.35,17.6 73.775,18.025 79.077,18.025 v1(79.41,18.358)
  Bottom Layer w0.127: C4CY.2@25.375,18.755 25.727,18.755 25.864,18.892 v1@26.205,18.892 ; v1(26.23,18.892) 26.23,18.538 26.343,18.425 IC1CY.4@26.786,18.425
OFFSET103: C4CZ.2 IC1CZ.4 IC10.7 | length 43.1
  Top Layer w0.127: v2(80.114,18.315) 80.115,18.315 80.677,18.877 81.626,18.877 81.7,18.803 IC10.7@81.7,18.249
  L2 w0.127: v1(43.23,18.892) 45.343,18.892 45.811,18.425 47.561,18.425 47.736,18.6 48.236,18.6 48.661,18.175 50.923,18.175 51.198,17.9 51.611,17.9 51.819,18.109 54.777,18.109 55.058,17.828 64.231,17.828 65.14,18.737 68.129,18.737 68.378,18.987 68.763,18.987 69,18.75 69.8,18.75 70.2,19.15 73.75,19.15 73.922,18.978 76.677,18.978 76.788,19.09 77.112,19.09 77.223,18.978 78.588,18.978 79.311,18.978 ; 79.312,18.978 79.451,18.978 v2(80.114,18.315)
  Bottom Layer w0.127: C4CZ.2@42.375,18.755 42.727,18.755 42.864,18.892 v1@43.205,18.892 ; v1(43.23,18.892) 43.23,18.538 43.343,18.425 IC1CZ.4@43.786,18.425
OFFSET104: C4DA.2 IC1DA.4 IC10.25 | length 32.5
  Top Layer w0.14: IC10.25@85,16.252 v2(86.447,16.252)
  L2 w0.127: v1(60.23,18.892) 62.183,18.892 62.7,18.375 64.365,18.375 65.091,19.102 68.023,19.102 68.143,19.221 69.371,19.221 70.194,20.044 73.456,20.044 74.293,19.207 76.582,19.207 76.694,19.319 77.206,19.319 77.318,19.207 78.683,19.207 ; 78.683,19.206 79.217,19.206 79.546,19.207 79.659,19.094 79.779,19.094 80.091,18.781 80.465,18.781 81.4,17.847 81.4,17.05 81.75,16.7 83.15,16.7 83.598,16.252 v2(86.447,16.252)
  Bottom Layer w0.127: C4DA.2@59.375,18.755 59.727,18.755 59.864,18.892 v1@60.205,18.892 ; v1(60.23,18.892) 60.23,18.538 60.343,18.425 IC1DA.4@60.786,18.425
OFFSET105: C4DB.2 IC1DB.4 IC10.24 | length 68.4
  Top Layer w0.127: C4DB.2@25.364,16.595 25.716,16.595 25.854,16.458 v1@26.195,16.458 ; v1(26.22,16.458) 26.22,16.812 26.333,16.925 IC1DB.4@26.775,16.925 ; IC10.24@85,15.852 v2(85.676,15.852)
  L2 w0.127: v1(26.22,16.458) 28.333,16.458 28.8,16.925 30.55,16.925 30.725,16.75 31.225,16.75 31.65,17.175 33.912,17.175 34.187,17.45 34.6,17.45 34.809,17.241 37.766,17.241 38.047,17.522 41.453,17.522 43.075,15.9 67.1,15.9 67.4,16.2 68,16.2 68.35,15.85 69.075,15.85 69.677,16.452 75.112,16.452 75.66,17 79.134,17 81.634,14.5 85.75,14.5 86.05,14.8 86.4,14.8 86.9,15.3 86.9,15.65 86.698,15.852 v2(85.676,15.852)
OFFSET106: C4DC.2 IC1DC.4 IC10.23 | length 49.6
  Top Layer w0.127: C4DC.2@42.364,16.595 42.716,16.595 42.854,16.458 v1@43.195,16.458 ; v1(43.22,16.458) 43.22,16.812 43.333,16.925 IC1DC.4@43.775,16.925
  Top Layer w0.14: IC10.23@85,15.452 v2(86.447,15.452)
  L2 w0.127: v1(43.22,16.458) 45.333,16.458 45.8,16.925 47.55,16.925 47.725,16.75 48.225,16.75 48.438,16.962 48.987,16.962 49.5,16.45 56.975,16.45 57.575,17.05 61.1,17.05 61.475,16.675 61.975,16.675 62.475,17.175 64.583,17.175 64.968,16.79 66.09,16.79 66.75,17.45 67.95,17.45 68.2,17.7 71.3,17.7 71.85,17.15 73.4,17.15 73.971,17.721 80.129,17.721 82.05,15.8 84.95,15.8 85.298,15.452 v2(86.447,15.452)
OFFSET107: C4DD.2 IC1DD.4 IC10.22 | length 29.9
  Top Layer w0.127: C4DD.2@59.364,16.595 59.716,16.595 59.854,16.458 v1@60.195,16.458 ; v1(60.22,16.458) 60.22,16.812 60.333,16.925 IC1DD.4@60.775,16.925 ; IC10.22@85,15.052 v2(85.676,15.052)
  L2 w0.127: v1(60.22,16.458) 60.989,16.458 61.12,16.327 62.702,16.327 63.174,16.799 64.54,16.799 64.914,16.425 67.075,16.425 67.45,16.8 74.75,16.8 75.35,17.4 79.3,17.4 81.8,14.9 84.1,14.9 84.252,15.052 v2(85.676,15.052)
OFFSET108: C4DE.2 IC1DE.4 IC10.14 | length 59
  Top Layer w0.127: v1(79.981,15.034) 80.885,15.034 IC10.14@80.9,15.049
  L2 w0.127: v1(26.23,15.342) 28.343,15.342 28.811,14.875 30.561,14.875 30.736,15.05 31.236,15.05 31.661,14.625 33.923,14.625 34.198,14.35 34.611,14.35 34.819,14.559 37.777,14.559 38.058,14.278 46.962,14.278 47.115,14.125 49.3,14.125 49.8,13.625 50.954,13.625 51.212,13.882 51.568,13.882 51.775,13.675 54.85,13.675 55.14,13.965 64.39,13.965 64.55,14.125 65.95,14.125 66.202,13.873 67.942,13.873 68.228,14.159 71.101,14.159 72.375,15.433 72.883,15.433 72.887,15.429 78.321,15.429 78.85,14.9 79.446,14.9 79.58,15.034 v1(79.981,15.034)
  Bottom Layer w0.127: C4DE.2@25.375,15.205 25.727,15.205 25.864,15.342 v1@26.205,15.342 ; v1(26.23,15.342) 26.23,14.988 26.343,14.875 IC1DE.4@26.786,14.875